# Altium PCB VNA_v4.PcbDoc (part 4 of 5)
Units mm, origin at the board's own origin, x right, y up, seen from the top; angles counter-clockwise.
Board outline 179 x 180 mm, 2 copper layers (Top Layer, Bottom Layer), stack 1.601 mm thick; 281 components, 184 nets, 845 pads, 5745 vias.
Unrouted connection lines stored in the file: 5.
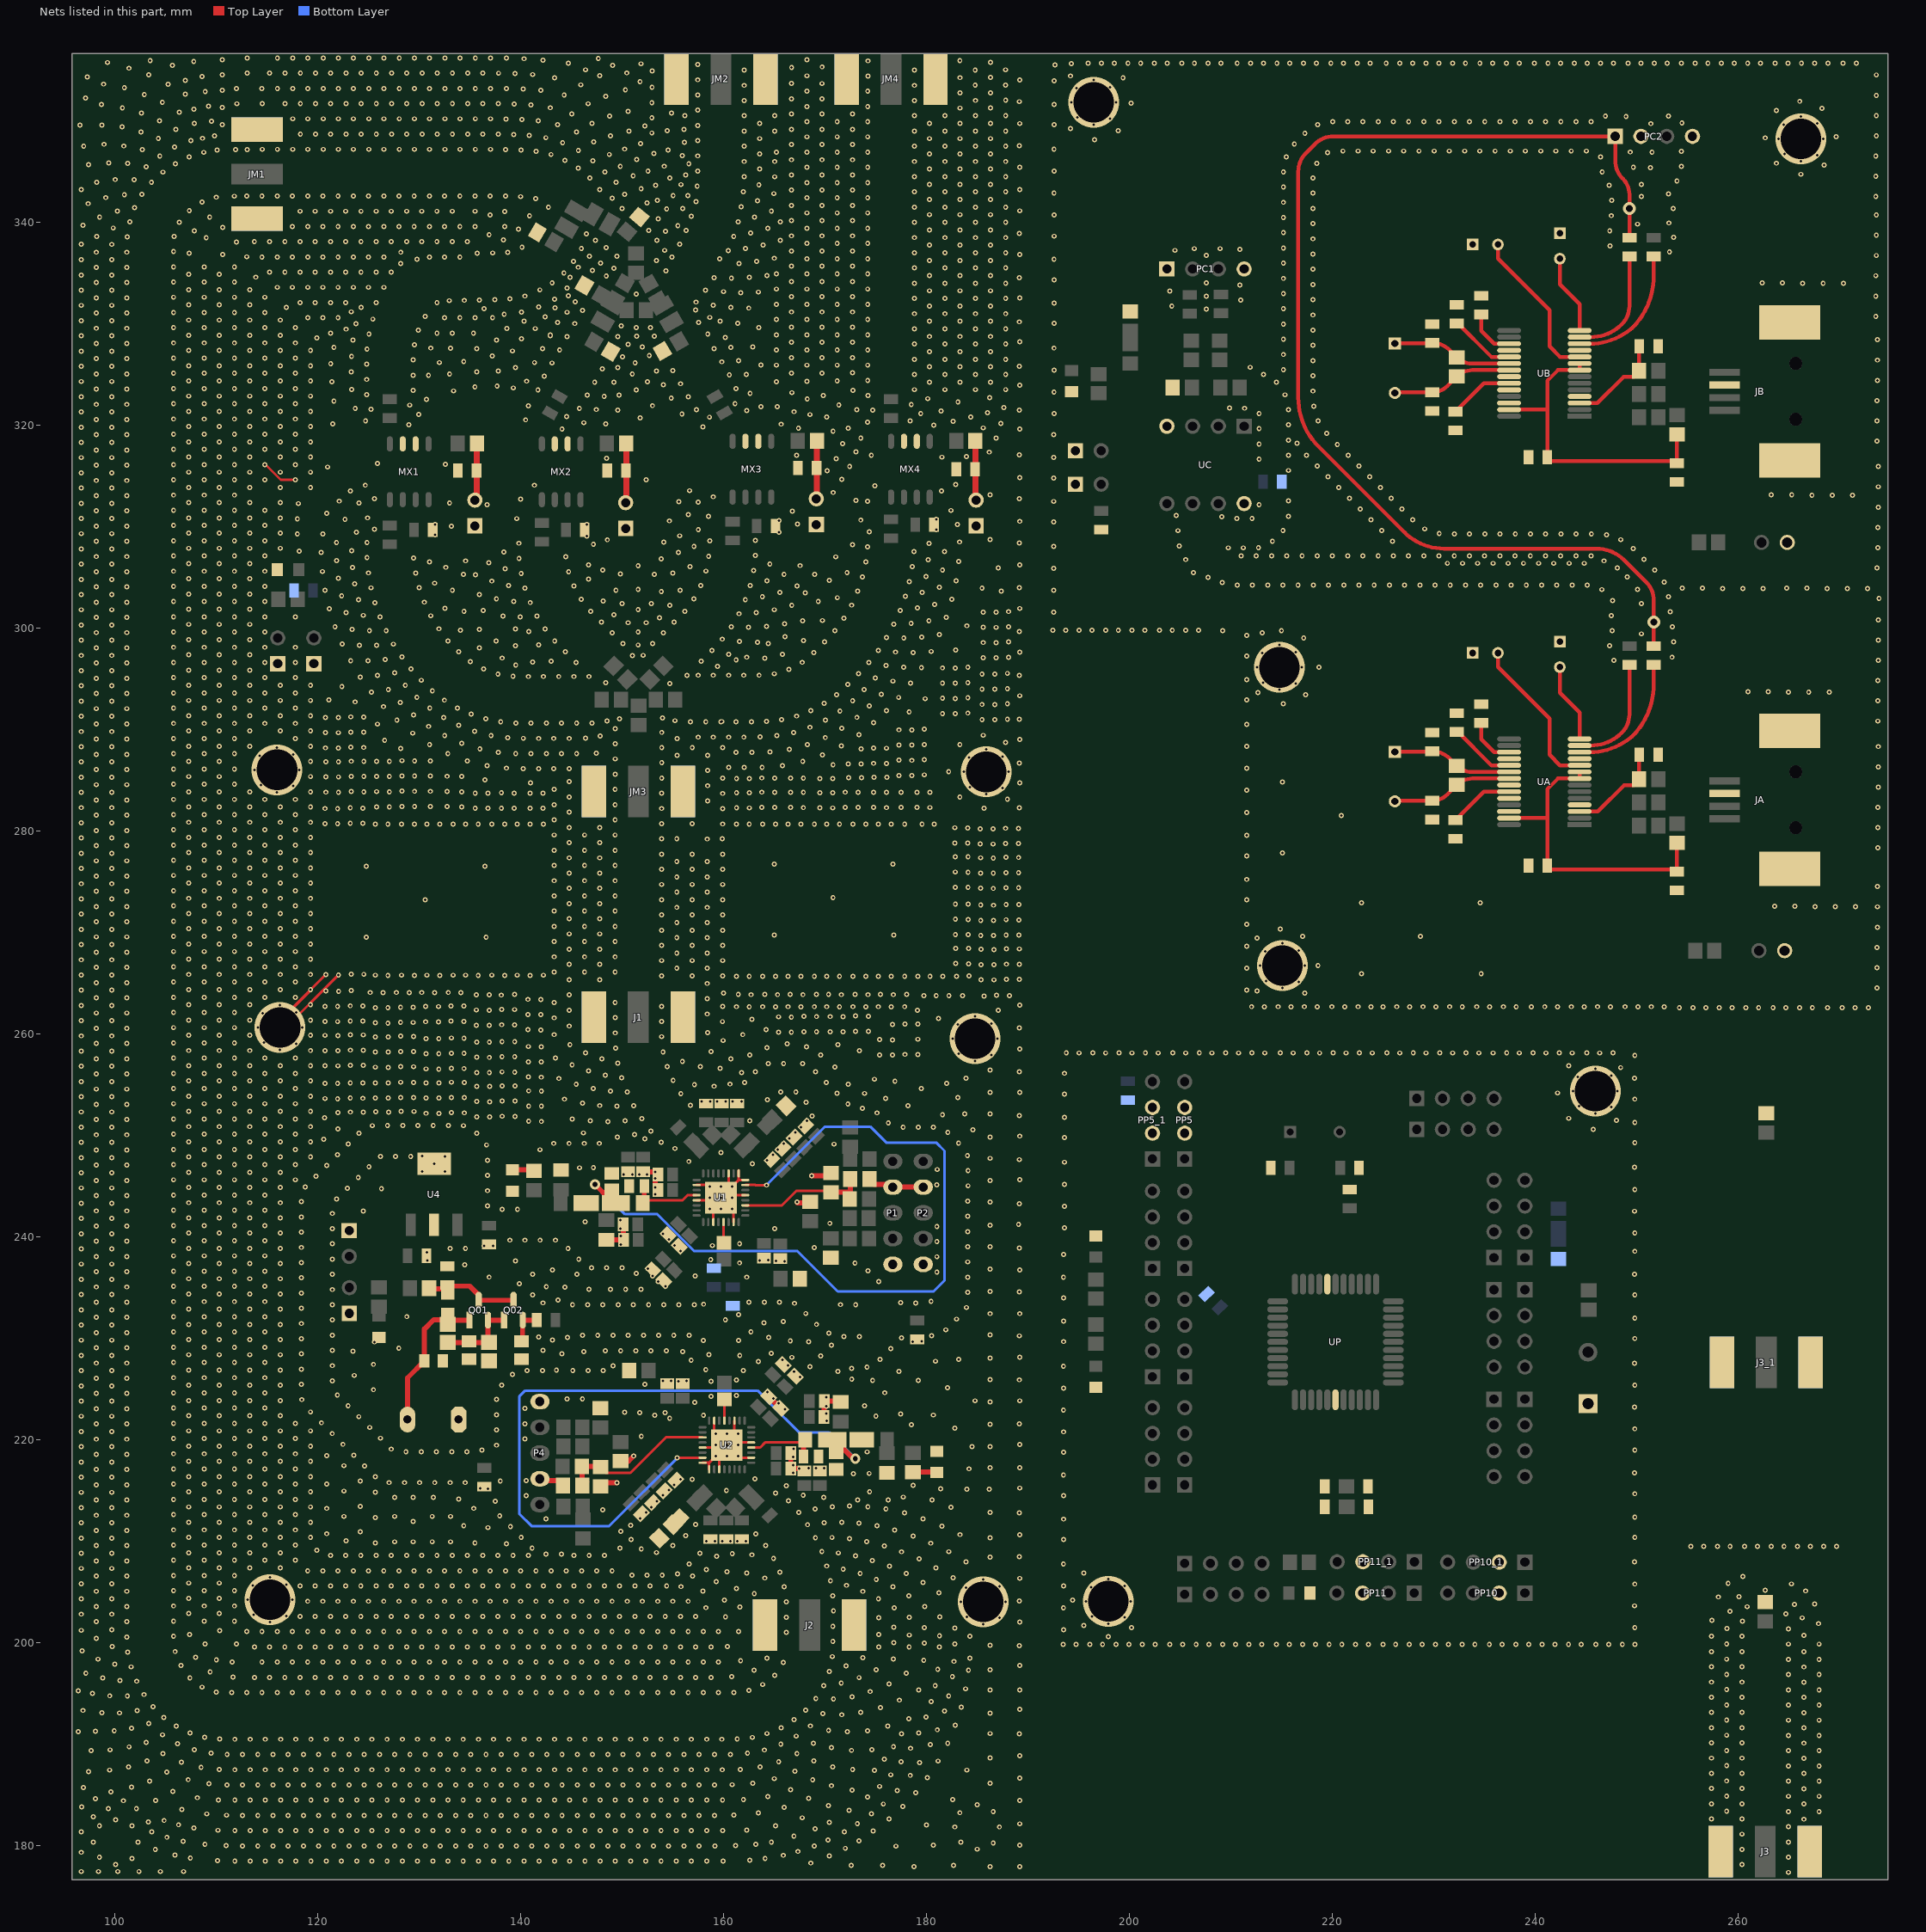
[diagram p4: the nets of this part, all layers, seen from the top]

## Via types
v1: diameter 0.5, hole 0.254, Top Layer to Bottom Layer, 5718 vias
v2: diameter 5, hole 4, Top Layer to Bottom Layer, 12 vias
v3: diameter 1, hole 0.5, Top Layer to Bottom Layer, 8 vias
v4: diameter 1.27, hole 0.711, Top Layer to Bottom Layer, 7 vias

## Nets (pads, with @x,y where several pads share a name; then routed paths per layer and width w, separated by ;. In a path a pad name is that pad's centre, name@x,y a point inside that pad or via, vN(x,y) a via of type N, cw(c..) or ccw(c..) an arc to the next point about the centre after c; other vN are vias at no path point) (continued)
GND: (continued)
  other v1: 96.694,282.275 99.697,282.275 167.876,282.275 176.076,282.275 180.342,282.28 189.181,282.265 163.8,282.3 165.064,282.288 166.612,282.287 172,282.3 173.264,282.288 174.812,282.287 177.53,282.293 179.078,282.292 273.8,282.3 107.303,282.333 110.306,282.333 113.308,282.333 116.309,282.333 119.306,282.333 125.802,282.348 127.066,282.336 134.21,282.338 132.771,282.37 128.3,282.4 129.564,282.388 131.112,282.387 143.305,282.57 149.314,282.57 158.428,282.927 98.195,283.025 101.204,283.025 105.796,283.083 108.805,283.083 111.805,283.083 114.807,283.083 117.807,283.083 188,283.1 144.804,283.32 183.3,283.3 185.9,283.6 159.929,283.676 136.8,283.7 142.2,283.7 153.919,283.693 135.536,283.712 138.124,283.725 139.388,283.713 140.936,283.712 161.302,283.748 162.566,283.736 169.502,283.748 170.766,283.736 96.694,283.775 99.697,283.775 167.876,283.775 176.076,283.775 180.342,283.78 116,283.8 120.8,283.8 122.064,283.788 163.8,283.8 165.064,283.788 166.612,283.787 172,283.8 173.264,283.788 174.812,283.787 177.53,283.793 179.078,283.792 107.303,283.833 110.306,283.833 113.308,283.833 119.306,283.833 123.298,283.852 124.562,283.84 125.802,283.848 127.066,283.836 134.21,283.838 132.771,283.87 128.3,283.9 129.564,283.888 131.112,283.887 211.6,284 143.305,284.07 149.314,284.07 187.5,284.2 184.3,284.3 273.846,284.292 117.6,284.4 158.433,284.436 114.4,284.5 98.195,284.525 101.204,284.525 105.796,284.583 108.805,284.583 111.805,284.583 141,284.7 189.2,284.7 215.1,284.8 144.815,284.837 136.5,285 161.302,285.148 162.566,285.136 169.502,285.148 170.766,285.136 167.876,285.175 153.928,285.193 159.937,285.193 163.8,285.2 165.064,285.188 166.612,285.187 172.34,285.222 173.604,285.21 96.694,285.275 99.697,285.275 174.838,285.274 176.102,285.262 120.8,285.3 122.064,285.288 107.303,285.333 110.306,285.333 119.306,285.333 123.298,285.352 124.562,285.34 125.802,285.348 127.066,285.336 134.21,285.338 132.771,285.37 128.3,285.4 129.564,285.388 131.112,285.387 177.302,285.448 178.566,285.436 179.8,285.5 149.336,285.57 182.2,285.8 183.7,285.8 188.1,285.8 158.438,285.943 113.8,286 118.2,286 98.195,286.025 101.204,286.025 105.796,286.083 108.805,286.083 111.805,286.083 140.277,286.101 141.789,286.097 143.289,286.097 144.789,286.097 211.581,286.145 138.599,286.173 160.508,286.224 162.049,286.225 163.806,286.253 273.846,286.292 136.702,286.415 165.814,286.421 170.8,286.5 172.313,286.59 173.577,286.578 174.811,286.642 176.076,286.63 189.181,286.649 153.928,286.693 96.694,286.775 99.697,286.775 120.8,286.8 122.064,286.788 167.828,286.822 107.303,286.833 110.306,286.833 119.306,286.833 123.298,286.852 124.562,286.84 125.802,286.848 127.066,286.836 128.3,286.9 129.564,286.888 131.112,286.887 134.74,286.888 177.302,286.948 178.566,286.936 179.8,287 149.336,287.07 184.2,287.2 187.5,287.3 114.3,287.4 155.435,287.443 158.438,287.443 169.773,287.474 117.6,287.5 98.195,287.525 101.204,287.525 105.796,287.583 108.805,287.583 111.805,287.583 132.832,287.594 139.523,287.606 141.039,287.598 142.539,287.598 144.039,287.598 145.539,287.598 147.473,287.629 137.802,287.736 161.258,287.725 162.813,287.725 164.6,287.772 166.488,288.015 185.9,288 136.005,288.062 173.577,288.078 128.2,288.1 174.811,288.142 176.076,288.13 120.773,288.168 122.037,288.156 116,288.2 153.928,288.193 156.937,288.193 159.937,288.193 123.272,288.22 124.536,288.207 96.694,288.275 99.697,288.275 211.6,288.3 273.846,288.292 107.303,288.333 110.306,288.333 113.308,288.333 119.306,288.333 171.636,288.361 177.302,288.448 178.566,288.436 131.044,288.498 168.267,288.486 179.8,288.5 183.3,288.5 149.336,288.57 134.219,288.615 187.8,288.7 126.6,288.9 189.2,289 98.195,289.025 101.204,289.025 105.796,289.083 108.805,289.083 111.805,289.083 117.807,289.083 155.423,289.076 140.285,289.104 141.789,289.1 143.289,289.1 144.789,289.1 146.398,289.108 138.727,289.171 170.036,289.184 157.508,289.227 159.008,289.227 160.508,289.227 162.022,289.227 163.608,289.245 147.834,289.325 132.529,289.365 165.274,289.368 137.105,289.385 185.6,289.4 173.347,289.459 129.363,289.61 120.773,289.668 122.037,289.656 153.928,289.693 166.927,289.681 123.272,289.72 124.536,289.707 96.694,289.775 99.697,289.775 135.484,289.791 107.303,289.833 110.306,289.833 113.308,289.833 116.309,289.833 119.306,289.833 177.302,289.948 178.566,289.936 179.8,290 149.347,290.07 171.658,290.085 168.529,290.198 130.951,290.285 133.917,290.388 211.581,290.475 125.9,290.5 98.195,290.525 101.204,290.525 105.796,290.583 108.805,290.583 111.805,290.583 114.807,290.583 117.807,290.583 141.039,290.607 142.539,290.607 144.039,290.607 145.539,290.607 147.039,290.607 139.54,290.615 174.813,290.643 138.044,290.736 156.758,290.734 158.258,290.734 159.758,290.734 161.258,290.734 162.758,290.734 159.843,290.757 164.258,290.761 273.8,290.8 148.524,290.823 155.238,290.84 127.827,290.889 170.057,290.909 165.748,290.932 186.766,290.936 185.502,290.948 189.181,290.978 136.571,291.018 188,291 149.772,291.03 154.002,291.13 120.773,291.168 122.037,291.156 132.436,291.153 173.167,291.175 123.272,291.22 124.536,291.207 96.694,291.275 99.697,291.275 167.202,291.301 107.303,291.333 110.306,291.333 113.308,291.333 116.309,291.333 119.306,291.333 129.462,291.41 135.144,291.479 181.602,291.548 182.866,291.536 184.1,291.6 178.3,291.7 171.477,291.801 168.605,291.832 176.057,291.832 98.195,292.025 101.204,292.025 105.796,292.083 108.805,292.083 111.805,292.083 114.807,292.083 117.807,292.083 131.051,292.086 133.779,292.102 126.487,292.235 174.393,292.286 186.766,292.436 185.502,292.448 188,292.5 215.2,292.5 169.925,292.545 128.144,292.641 123.7,292.7 96.694,292.775 99.697,292.775 172.746,292.819 273.8,292.8 107.303,292.833 110.306,292.833 113.308,292.833 116.309,292.833 119.306,292.833 132.491,292.87 121.1,292.9 211.6,292.9 179.9,293 181.602,293.048 182.866,293.036 184.1,293.1 177.279,293.129 129.781,293.163 189.2,293.3 217.4,293.4 171.151,293.409 175.551,293.449 98.195,293.525 101.204,293.525 105.796,293.583 108.805,293.583 111.805,293.583 114.807,293.583 117.807,293.583 212.7,293.6 125.294,293.648 264.992,293.654 266.992,293.654 268.992,293.654 261,293.7 263,293.7 131.305,293.789 173.885,293.904 214.8,293.9 126.978,293.921 186.766,293.936 185.502,293.948 188,294 122.4,294.2 96.694,294.275 99.697,294.275 107.303,294.333 110.306,294.333 113.308,294.333 116.309,294.333 119.306,294.333 128.637,294.328 172.265,294.414 154.7,294.5 216.4,294.5 181.602,294.548 182.866,294.536 148.388,294.575 178.46,294.555 184.1,294.6 213.2,294.6 176.712,294.739 273.8,294.8 130.218,294.822 211.6,294.9 98.195,295.025 101.204,295.025 105.796,295.083 108.805,295.083 111.805,295.083 114.807,295.083 117.807,295.083 174.983,295.06 124.212,295.153 140.765,295.199 142.265,295.199 143.765,295.199 145.265,295.199 146.765,295.199 139.265,295.219 125.913,295.293 156.4,295.3 189.181,295.308 157.51,295.326 159.01,295.326 160.51,295.326 162.01,295.326 163.51,295.326 186.766,295.436 137.783,295.45 165.004,295.46 185.502,295.448 173.325,295.474 188,295.5 127.599,295.568 96.694,295.775 99.697,295.775 107.303,295.833 110.306,295.833 113.308,295.833 166.441,295.891 129.214,295.936 136.365,295.94 181.602,296.048 182.866,296.036 179.526,296.069 184.1,296.1 212.6,296.1 217,296.1 218.7,296.1 177.769,296.115 159.427,296.209 176.02,296.3 139.526,296.316 98.195,296.525 101.204,296.525 145.476,296.574 105.796,296.583 108.805,296.583 111.805,296.583 114.807,296.583 117.807,296.583 167.763,296.599 174.335,296.584 141.207,296.629 135.057,296.674 143.015,296.706 157.807,296.72 123.252,296.739 124.959,296.745 247.76,296.785 273.846,296.792 161.26,296.833 126.662,296.885 164.083,297.014 138.189,297.023 186.866,297.036 185.602,297.048 162.305,297.108 188.1,297.1 253.516,297.109 128.3,297.126 211.6,297.2 96.694,297.275 99.697,297.275 151.031,297.272 152.099,297.28 107.303,297.333 110.306,297.333 113.308,297.333 160.537,297.38 165.817,297.402 213.1,297.5 168.916,297.559 178.715,297.57 176.956,297.618 189.2,297.6 216.4,297.6 133.902,297.631 144.416,297.634 180.47,297.661 175.255,297.769 158.868,297.781 182.9,297.8 98.195,298.025 101.204,298.025 135.958,298.029 105.796,298.083 108.805,298.083 111.805,298.083 114.807,298.083 117.807,298.083 139.519,298.225 247.34,298.225 124.123,298.267 125.831,298.273 141.775,298.301 151.6,298.3 214.8,298.3 127.483,298.384 122.421,298.396 153.037,298.429 164.432,298.43 150.095,298.444 186.866,298.536 185.602,298.548 163.359,298.57 188.1,298.6 253.675,298.601 169.977,298.62 161.58,298.664 132.864,298.714 137.602,298.697 143.376,298.715 167.9,298.757 96.694,298.775 99.697,298.775 273.846,298.792 107.303,298.833 110.306,298.833 113.308,298.833 159.879,298.888 177.787,299.005 217.2,299 176.079,299.022 179.544,299.095 166.072,299.107 211.581,299.242 181.286,299.323 250.5,299.4 154.09,299.497 213.1,299.5 98.195,299.525 101.204,299.525 149.037,299.507 105.796,299.583 108.805,299.583 111.805,299.583 114.807,299.583 151.6,299.6 140.807,299.631 189.181,299.637 126.767,299.702 209.2,299.7 215,299.7 247.614,299.699 125.112,299.722 170.983,299.732 134.063,299.748 192.471,299.754 193.735,299.742 195.071,299.754 196.335,299.742 197.671,299.754 198.935,299.742 200.271,299.754 201.535,299.742 202.971,299.754 204.235,299.742 205.571,299.754 206.835,299.742 123.408,299.85 135.955,299.838 142.432,299.881 131.952,299.905 139.507,299.89 186.866,300.036 162.481,300.046 185.602,300.048 121.722,300.113 160.767,300.097 188.1,300.1 253.553,300.096 164.261,300.13 184,300.2 96.694,300.275 99.697,300.275 107.303,300.333 110.306,300.333 113.308,300.333 176.802,300.336 166.022,300.394 178.507,300.452 150.6,300.5 152.4,300.5 147.976,300.568 155.151,300.558 167.796,300.694 180.251,300.68 169.746,300.716 273.846,300.792 171.869,300.943 153.7,301 98.195,301.025 101.204,301.025 181.971,301.043 126.158,301.073 139.98,301.078 105.796,301.083 108.805,301.083 111.805,301.083 114.807,301.083 117.807,301.083 141.622,301.144 138.26,301.163 131.166,301.182 247.504,301.195 124.509,301.223 149.2,301.3 161.528,301.39 122.821,301.485 163.239,301.51 186.866,301.536 185.602,301.548 192.571,301.554 253.319,301.577 188.1,301.6 134.434,301.613 146.922,301.635 156.193,301.637 136.325,301.701 177.421,301.702 96.694,301.775 99.697,301.775 165.002,301.774 151.6,301.8 107.303,301.833 110.306,301.833 113.308,301.833 121.16,301.879 189.2,301.9 132.549,301.936 179.111,301.952 154.7,302.2 166.73,302.222 172.631,302.234 180.832,302.315 150,302.4 152.9,302.4 250.5,302.4 125.658,302.487 140.96,302.49 98.195,302.525 101.204,302.525 130.508,302.531 105.796,302.583 108.805,302.583 111.805,302.583 114.807,302.583 139.318,302.601 169.353,302.6 148.144,302.642 247.632,302.69 162.156,302.752 124.026,302.766 145.988,302.809 182.518,302.812 157.08,302.847 137.618,302.858 273.9,302.9 171.222,302.96 163.847,303.047 253.148,303.068 177.931,303.113 122.364,303.16 96.694,303.275 99.697,303.275 135.956,303.289 107.303,303.333 110.306,303.333 113.308,303.333 168.05,303.445 165.576,303.496 179.596,303.494 153.886,303.581 173.243,303.604 187.4,303.6 120.741,303.693 133.291,303.691 155.716,303.695 149.4,303.7 192.552,303.699 246.585,303.765 151.6,303.8 250.1,303.8 258.492,303.854 260.492,303.854 262.492,303.854 268.792,303.854 270.792,303.854 272.792,303.854 140.442,303.898 185.5,303.9 254.5,303.9 256.5,303.9 264.8,303.9 266.8,303.9 125.271,303.936 130.013,303.946 189.181,303.967 181.284,303.991 98.195,304.025 101.204,304.025 105.796,304.083 108.805,304.083 111.805,304.083 114.807,304.083 145.252,304.116 167.248,304.126 157.78,304.173 162.644,304.171 138.82,304.178 212.148,304.192 213.648,304.192 215.148,304.192 216.648,304.192 218.148,304.192 219.648,304.192 221.148,304.192 222.648,304.192 224.148,304.192 225.648,304.192 227.148,304.192 228.648,304.192 230.148,304.192 231.648,304.192 233.148,304.192 234.648,304.192 236.148,304.192 237.648,304.192 239.148,304.192 240.648,304.192 242.148,304.192 243.648,304.192 245.148,304.192 210.648,304.208 123.668,304.346 131.523,304.399 209.167,304.449 252.727,304.507 178.329,304.559 137.156,304.61 182.926,304.623 164.295,304.642 170.433,304.691 96.694,304.775 99.697,304.775 146.719,304.789 107.303,304.833 110.306,304.833 113.308,304.833 122.044,304.879 207.767,304.986 249.1,305 173.713,305.028 179.96,305.071 135.549,305.22 134.387,305.257 153.187,305.268 168.989,305.268 165.968,305.273 149.831,305.319 140.072,305.351 155.015,305.383 125.005,305.413 129.661,305.404 172.193,305.443 206.335,305.433 98.195,305.525 101.204,305.525 120.47,305.543 144.738,305.525 105.796,305.583 108.805,305.583 111.805,305.583 114.807,305.583 158.279,305.588 162.98,305.632 148.1,305.7 251.815,305.698 181.603,305.703 138.49,305.802 192.571,305.854 187.1,305.9 248.1,305.9 273.7,305.9 123.442,305.953 132.621,305.966 156.722,306.015 178.612,306.032 151.6,306.1 167.563,306.136 146.7,306.2 189.2,306.2 96.694,306.275 99.697,306.275 164.572,306.296 107.303,306.333 110.306,306.333 113.308,306.333 231.357,306.351 232.857,306.351 234.357,306.351 235.857,306.351 237.357,306.351 238.857,306.351 240.357,306.351 241.857,306.351 243.357,306.351 244.857,306.351 136.881,306.412 131.025,306.492 174.04,306.492 183.19,306.524 134.6,306.6 246.8,306.6 121.866,306.617 180.197,306.693 205.576,306.727 250.755,306.759 153.851,306.806 139.861,306.836 129.455,306.89 124.862,306.906 171.067,306.985 144.46,306.999 98.195,307.025 101.204,307.025 158.547,307.064 105.796,307.083 108.805,307.083 111.805,307.083 114.807,307.083 163.159,307.122 211.034,307.104 212.534,307.102 214.034,307.102 215.534,307.102 217.034,307.102 218.534,307.102 220.034,307.102 221.534,307.102 223.034,307.102 224.534,307.102 226.034,307.102 227.534,307.102 229.034,307.102 230.534,307.102 232.034,307.102 233.534,307.102 235.034,307.102 236.534,307.102 238.034,307.102 239.534,307.102 241.034,307.102 242.534,307.102 244.034,307.102 245.534,307.102 120.364,307.446 155.557,307.439 138.352,307.471 178.776,307.523 181.786,307.514 118.2,307.542 123.36,307.585 96.694,307.775 99.697,307.775 107.303,307.833 110.306,307.833 113.308,307.833 116.309,307.833 249.694,307.82 209.747,307.875 211.247,307.875 212.746,307.909 273.8,307.9 174.202,307.983 157.108,308.017 192.552,308.029 204.921,308.076 172.721,308.198 147.193,308.237 139.842,308.336 180.28,308.327 189.181,308.351 121.856,308.414 124.865,308.406 154.133,308.459 183.28,308.465 98.195,308.525 101.204,308.525 214.109,308.536 225.948,308.528 158.651,308.56 105.796,308.583 108.805,308.583 111.805,308.583 114.807,308.583 163.141,308.621 148.552,308.677 248.467,308.682 186.3,308.7 146.552,309.032 155.693,309.064 131.566,309.159 247.048,309.17 118,309.242 120.512,309.236 96.694,309.275 99.697,309.275 232.051,309.261 233.551,309.261 235.051,309.261 236.551,309.261 238.051,309.261 239.551,309.261 241.051,309.261 242.551,309.261 244.051,309.261 245.551,309.261 230.551,309.292 107.303,309.333 110.306,309.333 113.308,309.333 116.309,309.333 123.815,309.429 165.475,309.413 174.387,309.472 204.793,309.571 215.165,309.601 224.887,309.588 157.532,309.666 180.969,309.667 125.592,309.718 229.12,309.739 273.8,309.9 98.195,310.025 101.204,310.025 133.186,310.028 105.796,310.083 108.805,310.083 111.805,310.083 114.807,310.083 183.068,310.171 131.566,310.175 146.552,310.175 167.29,310.218 192.571,310.454 189.2,310.5 189.2,310.5 154.681,310.539 165.475,310.556 173.549,310.624 223.826,310.649 227.934,310.657 122.7,310.7 180.969,310.683 118,310.742 96.694,310.775 99.697,310.775 139.645,310.757 210.612,310.785 212.112,310.785 107.303,310.833 110.306,310.833 113.308,310.833 116.309,310.833 124.935,310.837 209.119,310.93 158.532,310.989 215.701,311.002 204.626,311.062 156.528,311.167 120.9,311.3 166.8,311.5 98.195,311.525 101.204,311.525 182.421,311.562 105.796,311.583 108.805,311.583 111.805,311.583 114.807,311.583 222.766,311.71 226.873,311.718 273.846,311.892 136.689,312.124 212.794,312.121 118.1,312.242 96.694,312.275 99.697,312.275 133,312.3 124.073,312.306 107.303,312.333 110.306,312.333 113.308,312.333 116.309,312.333 157.528,312.381 155.596,312.419 192.571,312.454 174.221,312.464 122.123,312.491 215.704,312.502 173.061,312.561 140.007,312.696 125.603,312.728 189.181,312.734 221.705,312.77 225.812,312.778 158.981,312.914 98.195,313.025 101.204,313.025 267.292,313.054 269.292,313.054 271.292,313.054 105.796,313.083 108.805,313.083 111.805,313.083 186.3,313.1 263.3,313.1 265.3,313.1 170.816,313.338 123.241,313.486 181.496,313.499 156.649,313.51 96.694,313.775 99.697,313.775 107.303,313.833 110.306,313.833 113.308,313.833 116.309,313.833 119.306,313.833 220.644,313.831 224.752,313.839 273.846,313.892 174.934,314 141.351,314.057 124.696,314.059 182.882,314.131 98.195,314.525 101.204,314.525 105.796,314.583 108.805,314.583 111.805,314.583 114.807,314.583 117.807,314.583 152.4,314.6 171.675,314.644 192.571,314.754 189.2,314.8 219.584,314.891 223.691,314.9 96.694,315.275 99.697,315.275 107.303,315.333 110.306,315.333 113.308,315.333 116.309,315.333 119.306,315.333 170.235,315.492 215.704,315.502 121,315.842 172.447,315.905 273.846,315.892 218.523,315.952 222.63,315.96 98.195,316.025 101.204,316.025 105.796,316.083 108.805,316.083 111.805,316.083 117.807,316.083 132.6,316.1 125.9,316.2 212.794,316.621 171.108,316.656 148.5,316.7 96.694,316.775 99.697,316.775 192.552,316.796 181.535,316.818 107.303,316.833 110.306,316.833 113.308,316.833 116.309,316.833 119.306,316.833 183.941,316.878 167.2,317 215.704,317.002 174.573,317.022 217.466,317.016 221.57,317.021 189.181,317.064 186.212,317.322 173.067,317.343 98.195,317.525 101.204,317.525 105.796,317.583 108.805,317.583 111.805,317.583 114.807,317.583 117.807,317.583 220.509,318.082 212.794,318.121 171.754,318.158 216.536,318.193 96.694,318.275 99.697,318.275 107.303,318.333 110.306,318.333 113.308,318.333 116.309,318.333 119.306,318.333 273.7,318.4 215.704,318.502 173.551,318.697 186.883,318.69 98.195,319.025 101.204,319.025 192.571,319.054 105.796,319.083 108.805,319.083 111.805,319.083 114.807,319.083 117.807,319.083 219.462,319.156 170.8,319.367 144.1,319.6 189.2,319.6 212.794,319.621 167.407,319.659 172.288,319.685 185.617,319.698 96.694,319.775 99.697,319.775 157.965,319.806 107.303,319.833 110.306,319.833 113.308,319.833 116.309,319.833 119.306,319.833 129,320 180.727,319.978 215.704,320.002 165.688,320.075 121.5,320.1 148.4,320.1 187.329,320.147 146.235,320.209 174.214,320.278 182.629,320.348 124.734,320.38 178.4,320.4 218.634,320.407 273.7,320.4 140.5,320.5 98.195,320.525 101.204,320.525 105.796,320.583 108.805,320.583 111.805,320.583 114.807,320.583 117.807,320.583 151.8,320.7 158.634,320.759 170.198,320.767 184.392,320.764 144.547,320.81 168.539,321.012 129.981,321.042 155.92,321.073 192.6,321.1 179.443,321.121 212.794,321.121 186.017,321.189 96.694,321.275 99.697,321.275 166.95,321.304 107.303,321.333 110.306,321.333 113.308,321.333 116.309,321.333 119.306,321.333 181.456,321.382 162.3,321.4 149.6,321.442 189.181,321.448 174.717,321.461 157.328,321.496 147.482,321.517 173.157,321.502 215.701,321.502 125.278,321.549 123.715,321.624 145.797,321.64 211.389,321.645 209.889,321.684 187.658,321.711 163.7,321.8 165.304,321.8 218.195,321.841 140.791,321.888 153,321.9 129.075,321.944 171.39,321.948 178.511,322.001 98.195,322.025 101.204,322.025 105.796,322.083 108.805,322.083 111.805,322.083 114.807,322.083 117.807,322.083 161.138,322.09 183.127,322.271 121.6,322.342 273.7,322.4 130.734,322.503 168.257,322.566 180.157,322.58 154.862,322.631 186.251,322.696 156.529,322.766 96.694,322.775 99.697,322.775 148.251,322.821 107.303,322.833 110.306,322.833 113.308,322.833 116.309,322.833 119.306,322.833 174.249,322.886 169.842,322.901 146.57,322.925 149.7,322.942 215.364,322.964 124.836,322.982 162.622,323.116 166.753,323.173 192.581,323.245 133.4,323.342 218.117,323.339 129.417,323.404 172.769,323.39 141.723,323.435 151.4,323.442 178.82,323.469 181.829,323.469 184.829,323.469 187.831,323.469 123.357,323.505 98.195,323.525 101.204,323.525 105.796,323.583 108.805,323.583 111.805,323.583 114.807,323.583 117.807,323.583 161.257,323.586 139.3,323.642 135.5,323.742 137.7,323.842 189.2,323.9 154.092,323.947 155.772,324.06 149.2,324.2 214.521,324.204 121.4,324.242 147.321,324.224 152.5,324.242 180.327,324.219 183.33,324.219 186.332,324.219 165.218,324.259 96.694,324.275 99.697,324.275 140.607,324.314 168.219,324.302 107.303,324.333 110.306,324.333 113.308,324.333 116.309,324.333 119.306,324.333 171.219,324.344 174.228,324.386 273.746,324.392 124.825,324.482 142.349,324.798 218.117,324.839 130.924,324.874 129.417,324.904 160.585,324.927 162.245,324.974 178.82,324.969 181.829,324.969 184.829,324.969 187.831,324.969 213.237,324.979 133,325 151.008,325 98.195,325.025 101.204,325.025 105.796,325.083 108.805,325.083 111.805,325.083 114.807,325.083 117.807,325.083 166.717,325.083 169.719,325.104 172.721,325.125 123.318,325.227 135.7,325.242 137.8,325.3 153.4,325.3 155.014,325.355 192.6,325.4 215.207,325.443 148.071,325.523 139.5,325.642 149.6,325.642 211.907,325.674 180.327,325.719 183.33,325.719 186.332,325.719 96.694,325.775 99.697,325.775 189.181,325.777 107.303,325.833 110.306,325.833 113.308,325.833 116.309,325.833 119.306,325.833 165.217,325.886 168.219,325.886 171.219,325.886 174.228,325.886 163.7,325.9 124.825,325.982 121.3,326.042 143.099,326.097 151.3,326.1 132,326.142 141.387,326.139 159.827,326.222 134.4,326.242 161.507,326.335 218.117,326.339 273.746,326.392 129.417,326.404 178.82,326.469 181.829,326.469 184.829,326.469 187.831,326.469 98.195,326.525 101.204,326.525 105.796,326.583 108.805,326.583 111.805,326.583 114.807,326.583 117.807,326.583 166.716,326.636 169.718,326.636 172.721,326.636 150.053,326.701 123.337,326.751 137.2,326.8 152.7,326.842 215.207,326.943 180.327,327.219 183.33,327.219 186.332,327.219 96.694,327.275 99.697,327.275 139.216,327.286 107.303,327.333 110.306,327.333 113.308,327.333 116.309,327.333 119.306,327.333 165.217,327.386 168.219,327.386 171.219,327.386 174.228,327.386 143.849,327.396 124.864,327.482 135.7,327.5 142.169,327.5 159.07,327.516 133.1,327.542 131.137,327.576 192.581,327.575 121.6,327.642 160.75,327.63 152,327.7 162.9,327.7 218.117,327.839 129.537,327.9 150.6,327.942 178.82,327.969 181.829,327.969 184.829,327.969 187.831,327.969 98.195,328.025 101.204,328.025 105.796,328.083 108.805,328.083 111.805,328.083 114.807,328.083 117.807,328.083 166.716,328.136 169.718,328.136 172.721,328.136 189.2,328.2 123.467,328.348 137.629,328.376 273.746,328.392 215.207,328.443 140.091,328.486 119.912,328.569 160.192,328.606 144.599,328.695 149.6,328.7 151.44,328.728 180.327,328.719 183.33,328.719 186.332,328.719 153.2,328.742 96.694,328.775 99.697,328.775 142.919,328.799 107.303,328.833 110.306,328.833 113.308,328.833 116.309,328.833 142.94,328.871 165.217,328.886 168.219,328.886 171.219,328.886 174.228,328.886 125.07,328.968 158.465,328.952 121.268,329.055 131.768,329.055 133.268,329.055 135.37,329.055 129.935,329.346 218.117,329.339 122.8,329.442 178.82,329.469 181.829,329.469 184.829,329.469 187.831,329.469 141.44,329.486 98.195,329.525 101.204,329.525 138.663,329.518 105.796,329.583 108.805,329.583 111.805,329.583 114.807,329.583 117.807,329.583 151.4,329.6 152.8,329.6 163.5,329.6 166.716,329.636 169.718,329.636 172.721,329.636 149.933,329.775 215.207,329.943 123.786,329.989 145.349,329.994 192.6,330 161.405,330.021 143.669,330.098 157.555,330.106 189.181,330.161 140.346,330.212 159.659,330.229 180.327,330.219 183.33,330.219 186.332,330.219 96.694,330.275 99.697,330.275 107.303,330.333 110.306,330.333 113.308,330.333 116.309,330.333 165.217,330.386 168.219,330.386 171.219,330.386 174.228,330.386 125.452,330.418 119.018,330.554 120.518,330.554 122.018,330.554 132.518,330.554 134.018,330.554 135.518,330.554 137.236,330.551 158.644,330.589 142.424,330.637 130.598,330.691 273.6,330.7 218.117,330.839 138.381,330.894 178.82,330.969 181.829,330.969 184.829,330.969 187.831,330.969 98.195,331.025 101.204,331.025 105.796,331.083 108.805,331.083 111.805,331.083 114.807,331.083 144.6,331.1 140.098,331.114 123.3,331.142 166.716,331.136 169.718,331.136 172.721,331.136 146.107,331.288 157.259,331.324 207.6,331.4 136.4,331.442 215.207,331.443 162.492,331.518 143.4,331.542 116.914,331.568 124.294,331.583 141.78,331.609 160.738,331.592 204.192,331.696 180.327,331.719 183.33,331.719 186.332,331.719 96.694,331.775 99.697,331.775 158.99,331.801 107.303,331.833 110.306,331.833 113.308,331.833 165.217,331.886 168.219,331.886 171.219,331.886 174.228,331.886 192.6,332 118.268,332.052 119.768,332.052 121.268,332.052 122.768,332.052 125.768,332.052 131.768,332.052 157.31,332.11 145.4,332.142 132.96,332.243 134.459,332.28 210.99,332.291 135.959,332.318 218.117,332.339 137.458,332.356 143.351,332.383 138.957,332.418 178.82,332.469 181.829,332.469 184.829,332.469 187.831,332.469 189.2,332.5 98.195,332.525 101.204,332.525 105.796,332.583 108.805,332.583 111.805,332.583 114.807,332.583 166.716,332.636 169.718,332.636 172.721,332.636 207.6,332.7 273.6,332.7 140.43,332.702 144.7,332.742 151.4,332.9 215.207,332.943 161.702,333.029 163.456,333.09 160.008,333.132 204.012,333.186 180.327,333.219 183.33,333.219 186.332,333.219 96.694,333.275 99.697,333.275 158.247,333.281 141.9,333.3 107.303,333.333 110.306,333.333 113.308,333.333 165.217,333.386 168.219,333.386 171.219,333.386 174.228,333.386 144.6,333.5 116.018,333.554 117.518,333.554 119.018,333.554 120.518,333.554 122.018,333.554 123.518,333.554 125.018,333.554 126.518,333.554 210.908,333.788 218.117,333.839 178.82,333.969 181.829,333.969 184.829,333.969 187.831,333.969 266.392,333.954 268.392,333.954 270.392,333.954 143.125,333.991 207.6,334 262.4,334 264.4,334 98.195,334.025 101.204,334.025 105.796,334.083 108.805,334.083 111.805,334.083 166.716,334.136 169.718,334.136 172.721,334.136 192.6,334.3 215.207,334.443 160.796,334.477 189.181,334.491 159.089,334.522 144.9,334.542 162.552,334.536 113.913,334.568 148.461,334.676 273.6,334.7 164.297,334.731 180.327,334.719 183.33,334.719 186.332,334.719 96.694,334.775 99.697,334.775 107.303,334.833 110.306,334.833 165.217,334.886 168.219,334.886 171.219,334.886 174.228,334.886 144.273,334.957 115.268,335.053 116.768,335.053 118.268,335.053 119.768,335.053 121.268,335.053 122.768,335.053 124.268,335.053 125.768,335.053 127.268,335.053 154.324,335.18 147.1,335.242 218.117,335.339 149.2,335.442 178.82,335.469 181.829,335.469 184.829,335.469 187.831,335.469 98.195,335.525 101.204,335.525 145.7,335.542 105.796,335.583 108.805,335.583 111.805,335.583 166.716,335.636 169.718,335.636 172.721,335.636 128.2,335.9 161.539,335.91 147.893,335.938 215.207,335.943 163.285,336.104 145.222,336.118 153.4,336.219 180.327,336.219 183.33,336.219 186.332,336.219 96.694,336.275 99.697,336.275 129.814,336.329 192.581,336.342 159.638,336.368 168.219,336.386 171.219,336.386 174.228,336.386 165.01,336.432 154.915,336.527 114.518,336.556 116.018,336.556 117.518,336.556 119.018,336.556 120.518,336.556 122.018,336.556 123.518,336.556 125.018,336.556 126.518,336.556 131.018,336.556 132.518,336.556 134.018,336.556 113.001,336.564 146.8,336.642 149.5,336.642 207.6,336.7 273.646,336.692 110.635,336.793 189.2,336.8 189.2,336.8 218.117,336.839 135.747,336.906 107.331,336.933 137.247,336.944 178.82,336.969 181.829,336.969 184.829,336.969 187.831,336.969 138.745,337.019 98.195,337.025 101.204,337.025 128.208,337.025 253.26,337.048 105.796,337.083 166.716,337.136 169.718,337.136 172.721,337.136 160.475,337.18 154.2,337.2 204.5,337.2 210.9,337.3 206.413,337.371 208.953,337.371 146.005,337.397 162.169,337.396 215.207,337.443 148.459,337.485 140.158,337.521 247.388,337.636 163.896,337.723 180.327,337.719 183.33,337.719 186.332,337.719 99.713,337.792 96.711,337.824 155.693,337.81 168.219,337.886 171.219,337.886 174.228,337.886 111.985,338.033 113.762,338.06 115.268,338.055 116.768,338.055 118.268,338.055 119.768,338.055 121.268,338.055 122.768,338.055 124.268,338.055 125.768,338.055 127.268,338.055 128.768,338.055 130.268,338.055 131.768,338.055 133.268,338.055 134.768,338.055 153.46,338.182 165.591,338.182 147.4,338.2 138.3,338.242 218.117,338.339 109.015,338.439 178.82,338.469 181.829,338.469 184.829,338.469 187.831,338.469 253.675,338.489 101.237,338.525 98.228,338.591 105.862,338.582 161.011,338.581 192.6,338.6 166.716,338.636 169.718,338.636 172.721,338.636 273.646,338.692 136.9,338.742 146.5,338.842 189.181,338.874 162.684,338.926 215.207,338.943 154.3,339.1 107.861,339.134 247.368,339.136 152.655,339.168 156.343,339.162 180.327,339.219 183.33,339.219 186.332,339.219 139.8,339.3 99.859,339.402 164.381,339.385 168.219,339.386 171.219,339.386 174.228,339.386 110.652,339.482 117.518,339.556 119.018,339.556 120.518,339.556 122.018,339.556 123.518,339.556 125.018,339.556 126.518,339.556 128.018,339.556 129.518,339.556 131.018,339.556 132.518,339.556 134.018,339.556 135.518,339.556 138.45,339.54 155.5,339.642 96.876,339.674 250.1,339.786 218.117,339.839 253.186,339.907 106.378,339.99 178.82,339.969 181.829,339.969 184.829,339.969 187.831,339.969 101.476,340.006 165.6,340 161.439,340.019 166.716,340.136 169.718,340.136 172.721,340.136 153.557,340.313 215.207,340.443 109.352,340.474 98.505,340.485 163.08,340.491 156.837,340.578 140.88,340.617 247.536,340.627 137,340.7 192.6,340.7 273.646,340.692 180.327,340.719 183.33,340.719 186.332,340.719 168.219,340.886 171.219,340.886 174.228,340.886 138.452,341.026 118.268,341.058 119.768,341.058 121.268,341.058 122.768,341.058 124.268,341.058 125.768,341.058 127.268,341.058 128.768,341.058 130.268,341.058 131.768,341.058 133.268,341.058 135.514,341.058 100.266,341.082 164.737,341.078 189.2,341.1 107.359,341.125 154.4,341.3 150.017,341.34 156,341.342 218.117,341.339 253.615,341.345 101.968,341.423 142.747,341.464 161.755,341.485 178.82,341.469 181.829,341.469 184.829,341.469 187.831,341.469 166.716,341.636 169.718,341.636 172.721,341.636 97.366,341.813 152.464,341.891 215.207,341.943 108.607,341.958 157.3,342 163.355,342.082 153.475,342.141 247.568,342.127 180.327,342.219 183.33,342.219 186.332,342.219 141.505,342.305 149.039,342.364 168.219,342.386 171.219,342.386 174.228,342.386 99.125,342.41 110.024,342.449 140.017,342.497 250.5,342.5 273.6,342.5 111.8,342.542 138.518,342.549 113.018,342.574 114.518,342.565 116.018,342.565 117.518,342.565 119.018,342.565 120.518,342.565 122.018,342.565 123.518,342.565 125.018,342.565 126.518,342.565 128.018,342.565 129.518,342.565 131.018,342.565 132.518,342.565 134.018,342.565 135.518,342.565 137.018,342.565 155.037,342.6 156.488,342.612 100.958,342.691 150.27,342.716 102.692,342.736 253.169,342.777 164.962,342.794 192.581,342.845 218.117,342.839 161.958,342.971 178.82,342.969 181.829,342.969 184.829,342.969 187.831,342.969 166.716,343.136 169.718,343.136 172.721,343.136 96.7,343.2 147.796,343.204 189.2,343.2 151.895,343.291 215.207,343.443 157.407,343.52 153.301,343.614 247.302,343.603 163.508,343.671 155.834,343.685 250.5,343.7 180.327,343.719 183.33,343.719 186.332,343.719 168.219,343.886 171.219,343.886 174.228,343.886 98.225,343.908 103.629,343.908 149.434,343.907 253.985,344.035 101.912,344.157 100.057,344.19 146.824,344.346 154.7,344.339 218.117,344.339 165.055,344.449 162.046,344.469 178.82,344.469 181.829,344.469 184.829,344.469 187.831,344.469 273.6,344.5 151.094,344.562 166.716,344.636 169.718,344.636 172.721,344.636 156.3,344.642 266.2,344.7 104.742,344.913 148.302,344.919 215.207,344.943 246.612,344.935 157.464,345.019 192.6,345 152.575,345.024 163.558,345.214 180.327,345.219 183.33,345.219 186.332,345.219 145.675,345.311 251.387,345.372 168.219,345.386 171.219,345.386 174.228,345.386 189.2,345.4 249.7,345.4 103.092,345.441 149.822,345.467 254.422,345.47 154.165,345.5 268.5,345.6 97.43,345.638 105.987,345.751 156.6,345.742 101.279,345.787 218.481,345.794 263.8,345.8 99.425,345.819 162.056,345.969 165.065,345.969 178.82,345.969 181.829,345.969 184.829,345.969 187.831,345.969 147.124,346.05 144.391,346.086 166.716,346.136 169.718,346.136 172.721,346.136 151.444,346.154 107.334,346.41 215.477,346.418 246.449,346.426 104.439,346.517 157.464,346.519 273.6,346.5 155.957,346.533 267.8,346.6 143.002,346.652 148.759,346.65 163.563,346.719 180.327,346.719 183.33,346.719 186.332,346.719 264.6,346.7 153.138,346.746 219.568,346.827 108.764,346.861 251.529,346.866 165.217,346.886 168.219,346.886 171.219,346.886 174.228,346.886 249.4,346.9 254.439,346.97 141.538,346.978 221.06,346.991 222.56,346.991 224.06,346.991 225.56,346.991 227.06,346.991 228.56,346.991 230.06,346.991 231.56,346.991 233.06,346.991 234.56,346.991 236.06,346.991 237.56,346.991 239.06,346.991 240.56,346.991 242.06,346.991 243.56,346.991 245.06,346.991 145.707,347.041 110.1,347.1 140.042,347.091 154.537,347.1 102.725,347.146 111.9,347.142 113.043,347.148 138.543,347.143 114.543,347.157 116.043,347.157 117.543,347.157 119.043,347.157 120.543,347.157 122.043,347.157 123.543,347.157 125.043,347.157 126.543,347.157 128.043,347.157 129.543,347.157 131.043,347.157 132.543,347.157 134.043,347.157 135.543,347.157 137.043,347.157 192.581,347.175 150.278,347.197 105.908,347.383 96.938,347.482 162.056,347.469 178.82,347.469 181.829,347.469 184.829,347.469 187.831,347.469 100.913,347.492 189.181,347.534 166.716,347.636 169.718,347.636 172.721,347.636 98.936,347.661 216.269,347.692 151.84,347.724 144.145,347.803 156.165,347.865 147.231,347.887 107.491,348.031 157.464,348.019 196.6,348.1 163.563,348.219 180.327,348.219 183.33,348.219 186.332,348.219 264,348.2 268.4,348.2 104.308,348.248 108.669,348.256 142.491,348.302 262.7,348.3 168.219,348.386 171.219,348.386 174.228,348.386 269.7,348.4 109.846,348.48 148.866,348.485 273.646,348.492 140.873,348.539 139.326,348.624 118.293,348.664 119.793,348.664 121.293,348.664 122.793,348.664 124.293,348.664 125.793,348.664 127.293,348.664 128.793,348.664 130.293,348.664 131.793,348.664 133.293,348.664 134.793,348.664 136.293,348.664 137.8,348.657 152.954,348.769 217.327,348.756 102.595,348.876 145.525,348.874 150.689,348.947 162.056,348.969 165.065,348.969 178.82,348.969 181.829,348.969 184.829,348.969 187.831,348.969 154.46,349 198.9,349 106.01,349.113 156.1,349.136 166.716,349.136 169.718,349.136 172.721,349.136 194.2,349.2 100.713,349.373 152.253,349.476 96.592,349.536 157.464,349.519 98.734,349.543 143.656,349.589 218.577,349.584 110.6,349.6 192.6,349.6 196.5,349.6 264.5,349.6 147.05,349.717 163.563,349.719 180.327,349.719 183.33,349.719 186.332,349.719 189.2,349.7 251.41,349.698 267.8,349.7 107.86,349.731 254.489,349.779 168.219,349.886 171.219,349.886 174.228,349.886 220.043,349.901 221.543,349.901 223.043,349.901 224.543,349.901 226.043,349.901 227.543,349.901 229.043,349.901 230.543,349.901 232.043,349.901 233.543,349.901 235.043,349.901 236.543,349.901 238.043,349.901 239.543,349.901 241.043,349.901 242.543,349.901 244.043,349.901 245.543,349.901 109.539,349.943 104.41,349.976 141.765,349.979 140.146,350.099 117.543,350.166 119.043,350.166 120.543,350.166 122.043,350.166 123.543,350.166 125.043,350.166 126.543,350.166 128.043,350.166 129.543,350.166 131.043,350.166 132.543,350.166 134.043,350.166 135.543,350.166 137.043,350.166 138.572,350.152 198.1,350.2 152.954,350.269 194.9,350.3 266.2,350.4 246.947,350.43 248.98,350.414 148.782,350.455 253.149,350.452 162.056,350.469 165.065,350.469 178.82,350.469 181.829,350.469 184.829,350.469 187.831,350.469 156.2,350.5 273.646,350.492 145.037,350.658 166.716,350.636 169.718,350.636 172.721,350.636 102.633,350.737 154.9,350.742 106.379,350.811 150.607,350.919 263.8,351 157.464,351.019 107.806,351.108 268.3,351.2 100.751,351.236 183.329,351.225 186.331,351.23 142.93,351.264 110.6,351.3 168.219,351.386 174.228,351.386 109.233,351.404 141.038,351.536 98.701,351.6 192.6,351.6 139.392,351.625 112.054,351.652 114.548,351.662 116.793,351.667 118.293,351.667 119.793,351.667 121.293,351.667 122.793,351.667 124.293,351.667 125.793,351.667 127.293,351.667 128.793,351.667 130.293,351.667 131.793,351.667 133.293,351.667 134.793,351.667 136.293,351.667 137.815,351.659 146.659,351.651 200.2,351.7 152.954,351.769 194.3,351.8 198.7,351.8 104.69,351.807 189.181,351.863 266.1,351.9 162.056,351.969 178.82,351.969 184.828,351.986 187.83,351.995 166.716,352.136 169.718,352.136 97.138,352.211 148.392,352.392 273.646,352.492 144.308,352.518 157.464,352.519 102.912,352.57 106.958,352.593 183.325,352.732 186.327,352.74 108.927,352.865 168.219,352.886 174.228,352.886 141.991,352.97 110.6,353 150.334,353.024 140.249,353.097 112,353.142 114.508,353.166 116.043,353.166 117.543,353.166 119.043,353.166 120.543,353.166 122.043,353.166 123.543,353.166 125.043,353.166 126.543,353.166 128.043,353.166 129.543,353.166 131.043,353.166 132.543,353.166 134.043,353.166 135.543,353.166 137.043,353.166 138.6,353.152 194.8,353.2 100.958,353.228 152.959,353.275 198.1,353.3 162.056,353.469 178.811,353.469 184.821,353.486 187.822,353.495 145.93,353.513 98.907,353.594 105.268,353.591 166.721,353.647 169.723,353.643 151.774,353.835 192.6,353.9 106.944,353.96 189.2,354 196.5,354 157.473,354.019 199.4,354.2 143.369,354.226 183.321,354.233 186.323,354.243 97.3,354.3 108.62,354.328 174.237,354.386 168.227,354.403 194.2,354.4 147.791,354.431 273.646,354.492 103.37,354.502 110.6,354.5 141.202,354.533 139.458,354.626 113.047,354.671 115.271,354.669 116.793,354.669 118.293,354.669 119.793,354.669 121.293,354.669 122.793,354.669 124.293,354.669 125.793,354.669 127.293,354.669 128.793,354.669 130.293,354.669 131.793,354.669 133.293,354.669 134.793,354.669 136.293,354.669 137.829,354.661 150.468,354.697 152.97,354.887 162.047,354.969 178.811,354.969 146.402,354.997 184.821,354.99 187.822,355.001 101.415,355.163 166.729,355.218 169.737,355.29 105.7,355.442 149.092,355.453 192.7,355.5 157.473,355.519 151.885,355.592 194.3,355.6 144.7,355.642 195.935,355.642 197.271,355.654 198.535,355.642 199.871,355.654 201.135,355.642 202.471,355.654 203.735,355.642 205.171,355.654 206.435,355.642 207.771,355.654 209.035,355.642 210.635,355.642 211.971,355.654 213.235,355.642 214.571,355.654 215.835,355.642 217.171,355.654 218.435,355.642 219.871,355.654 221.135,355.642 222.471,355.654 223.735,355.642 225.335,355.642 226.671,355.654 227.935,355.642 229.271,355.654 230.535,355.642 231.871,355.654 233.135,355.642 234.571,355.654 235.835,355.642 237.171,355.654 238.435,355.642 239.935,355.642 241.271,355.654 242.535,355.642 243.871,355.654 245.135,355.642 246.471,355.654 247.735,355.642 249.171,355.654 250.435,355.642 251.771,355.654 253.035,355.642 254.435,355.642 255.771,355.654 257.035,355.642 258.371,355.654 259.635,355.642 260.971,355.654 262.235,355.642 263.671,355.654 264.935,355.642 266.271,355.654 267.552,355.654 270.352,355.654 268.888,355.666 271.688,355.666 99.284,355.718 186.32,355.745 107.784,355.819 174.237,355.886 103.5,355.9 183.3,355.9 142.217,355.963 110.6,356 168.234,355.999 140.352,356.097 147.664,356.105 113.06,356.159 116.043,356.168 117.543,356.168 119.043,356.168 120.543,356.168 122.043,356.168 123.543,356.168 125.043,356.168 126.543,356.168 128.043,356.168 129.543,356.168 131.043,356.168 132.543,356.168 134.043,356.168 135.543,356.168 137.043,356.168 138.629,356.153
  other v2: 185.6,204 197.933,204.043 115.3,204.2 245.933,254.343 184.8,259.5 116.3,260.6 215.1,266.7 185.9,285.8 116,286 214.8,296.1 196.5,351.8
IF1: CM13.2 PM1.2 RM1.1 | length 5.7
  Top Layer w0.6: PM1.2@135.503,312.588 135.691,312.776 135.691,315.509 RM1.1@135.691,318.176
IF2: CM23.2 PM2.2 RM2.1 | length 5.9
  Top Layer w0.6: PM2.2@150.362,312.334 150.423,312.395 RM2.1@150.423,318.176
IF3: CM33.2 PM3.2 RM3.1 | length 5.7
  Top Layer w0.6: PM3.2@169.158,312.715 169.219,312.776 RM3.1@169.219,318.43
IF4: CM43.2 PM4.2 RM4.1 | length 5.8
  Top Layer w0.6: PM4.2@184.652,312.715 184.84,312.903 RM4.1@184.84,318.43
ix: CA3.1 CB4.1 PC2.1 | length 115
  Top Layer w0.381: CB4.1@249.301,338.449 249.301,342.722 ccw(c247.133,342.722) 248.666,344.255 248.648,344.273 cw(c250.444,346.069) 247.904,346.069 PC2.1@247.904,348.446 220.127,348.446 ccw(c220.127,345.906) 218.331,347.702 217.406,346.777 ccw(c219.202,344.981) 216.662,344.981 216.662,322.701 ccw(c223.494,322.701) 218.663,317.87 227.107,309.426 ccw(c231.018,313.338) 231.018,307.806 246.059,307.806 cw(c246.059,303.965) 248.775,306.681 250.97,304.486 cw(c249.174,302.69) 251.714,302.69 CA3.1@251.714,298.19
  other v4: 251.714,300.567 249.301,341.334
LD1: D1.2 R14.1 | length 2.2
  Top Layer w0.5: D1.2@139.21,246.56 141.22,246.56 R14.1@141.32,246.46
LD2: D2.2 R24.1 | length 2.4
  Top Layer w0.5: R24.1@178.67,216.78 180.98,216.78 D2.2@181.03,216.73
LE1: R48.1 R49.1 R410.2 U1.3 | length 12.3
  Top Layer w0.254: U1.3@162.158,243.073 165.773,243.073 167.22,244.52 170.45,244.52 R410.2@170.6,244.37 ; R48.1@172.48,244.37 R48.1@172.5,244.39
  Top Layer w0.5: R410.2@170.56,244.37 R48.1@172.48,244.37 ; R48.1@172.5,244.39 R49.1@172.5,245.66
LE1A: P1.2 P2.2 R49.2 | length 5.9
  Top Layer w0.5: R49.2@174.4,245.66 174.4,245.593 174.85,245.143 175.958,245.143 176.229,244.872 P2.2@179.7,244.872 ; P2.2@179.833,245.005 P2.2@180.016,244.821
LE2: R411.2 R412.1 R413.1 U2.3 | length 16.1
  Top Layer w0.254: R413.1@146.06,217.34 R413.1@146.08,217.32 ; R412.1@146.35,215.35 146.35,215.502 R412.1@146.653,215.805 ; R411.2@147.76,217.34 148.4,216.7 150.83,216.7 154.327,220.197 U2.3@157.943,220.197
  Top Layer w0.5: R413.1@146.06,217.34 R411.2@147.76,217.34 ; R412.1@146.08,215.46 R413.1@146.08,217.32
LE2A: P4.4 R412.2 | length 2.6
  Top Layer w0.5: P4.4@141.91,216.11 142.08,215.94 143.73,215.94 144.18,215.49 R412.2@144.18,215.46
NetC01_1: C01.1 Q01.3 Q02.3 R01.1 R02.2 | length 9.5
  Top Layer w0.5: R01.1@130.799,234.835 132.327,234.835 132.606,235.114 132.831,235.114 134.994,235.114 135.879,234.229 Q01.3@135.879,233.714 Q02.3@139.308,233.714
NetC02_1: C02.1 C03.2 Q01.2 Q02.1 R04.2 | length 7.3
  Top Layer w0.254: R04.2@134.587,229.551 R04.2@134.609,229.573
  Top Layer w0.5: C02.1@132.831,229.551 R04.2@134.587,229.551 ; R04.2@134.634,229.548 136.768,229.548 136.781,229.561 Q01.2@136.781,231.444 ; Q01.2@136.794,231.76 138.264,231.76 Q02.1@138.274,231.77
NetC02_2: C02.2 Q01.1 R02.1 R03.2 Y01.2 | length 14.7
  Top Layer w0.254: C02.2@132.831,231.351 C02.2@133.24,231.76
  Top Layer w0.5: Y01.2@128.86,221.96 128.86,226.07 R03.2@130.53,227.74 130.53,230.886 131.434,231.79 C02.2@132.614,231.79 ; C02.2@132.577,231.097 C02.2@132.831,231.351 ; C02.2@133.24,231.76 Q01.1@134.964,231.76
NetC04_1: C04.1 Q02.2 R05.2 | length 3.6
  Top Layer w0.5: R05.2@140.07,229.548 140.199,229.677 140.199,231.736 Q02.2@140.223,231.76 C04.1@141.519,231.76 ; C04.1@141.559,232.18 C04.1@141.564,232.18
NetC13_2: C13.2 C14.2 R12.1 U1.7 | length 77.2
  Top Layer w0.254: C14.2@148.73,243.77 cw(c148.73,243.915) C14.2@148.717,243.771 ; U1.7@162.158,245.073 163.165,245.073 163.168,245.07 v1(164.25,245.07) ; C14.2@148.717,243.771 cw(c148.73,243.915) 148.628,243.812 C14.2@148.717,243.771
  Top Layer w0.5: v3(147.35,245.138) C14.2@148.717,243.771
  Bottom Layer w0.254: v3(147.35,245.138) 150.293,242.195 153.485,242.195 157.13,238.55 167.31,238.55 171.27,234.59 180.72,234.59 181.79,235.66 181.79,248.44 180.97,249.26 176.05,249.26 174.48,250.83 170.01,250.83 v1(164.25,245.07)
NetC14_1: C14.1 R11B.2
NetC15_1: C15.1 R12.2 U1.20 | length 6.8
  Top Layer w0.254: R12.2@152.19,243.55 155.95,243.55 156.473,244.073 U1.20@157.358,244.073
  Top Layer w0.5: R12.2@152.19,243.55 152.19,244.95 C15.1@152.21,244.97
NetC23_2: C23.2 C24.2 R22.1 U2.7 | length 70.9
  Top Layer w0.254: v1(155.45,218.17) 155.475,218.195 157.941,218.195 U2.7@157.943,218.197 ; v3@172.8,218.11 v3(173,218.11)
  Top Layer w0.5: C24.2@171.645,219.265 v3@172.8,218.11
  Bottom Layer w0.254: v1(155.45,218.17) 148.74,211.46 141.09,211.46 139.87,212.68 139.87,224.22 140.46,224.81 163.38,224.81 164.34,223.85 164.34,223.799 164.678,223.461 167.444,220.695 170.415,220.695 v3(173,218.11)
NetC24_1: C24.1 R21B.2
NetC25_1: C25.1 R22.2 U2.20 | length 6.8
  Top Layer w0.254: U2.20@162.743,219.197 163.627,219.197 164.15,219.72 R22.2@167.91,219.72
  Top Layer w0.5: C25.1@167.91,218.32 R22.2@167.91,219.72
NetC121_2: C121.2 U1.29 | length 1.6
  Top Layer w0.254: U1.29@160.008,241.15 160.008,240.932 160.012,240.928 C121.2@160.012,239.568
NetC221_2: C221.2 U2.29 | length 1.5
  Top Layer w0.254: U2.29@160.093,221.847 160.093,223.333 C221.2@160.1,223.34
NetC226_2: C226.2 R29.1
NetCA1_2: CA1.2 RA4.2 UA.3 | length 9.6
  Top Layer w0.381: UA.3@244.394,281.894 246.194,281.894 248.789,284.489 249.747,284.489 250.256,284.998 RA4.2@250.256,285.073 250.256,287.257 CA1.2@250.154,287.359
NetCA2_2: CA2.2 UA.10 | length 15.5
  Top Layer w0.381: CA2.2@236.347,297.519 236.347,296.122 241.427,291.042 241.427,287.486 242.469,286.444 UA.10@244.394,286.444
NetCA3_2: CA3.2 UA.12 | length 13.6
  Top Layer w0.381: UA.12@244.394,287.744 245.436,287.744 ccw(c245.436,294.018) 249.718,289.432 ; 249.555,289.264 ccw(c244.343,294.476) 249.718,289.432 ; 249.872,289.582 cw(c245.436,294.018) 249.718,289.432 ; CA3.2@251.714,296.34 251.714,294.476 cw(c244.343,294.476) 249.718,289.432
NetCA4_2: CA4.2 UA.13 | length 11.4
  Top Layer w0.381: UA.13@244.394,288.394 245.519,288.394 ccw(c245.519,292.665) 248.539,289.645 248.557,289.663 ccw(c246.761,291.459) 249.301,291.459 CA4.2@249.301,296.34
NetCA5_2: CA5.2 UA.14 | length 7.9
  Top Layer w0.381: CA5.2@242.443,296.122 242.443,293.582 244.394,291.631 UA.14@244.394,289.044
NetCA8_2: CA8.2 UA.17 | length 5.1
  Top Layer w0.381: CA8.2@234.696,290.879 234.696,289.01 235.962,287.744 UA.17@237.444,287.744
NetCA9_2: CA9.2 UA.19 | length 6.6
  Top Layer w0.381: CA9.2@232.283,289.863 235.702,286.444 UA.19@237.444,286.444
NetCA10_2: CA10.2 RA6.2 UA.20 YA.1 | length 11.9
  Top Layer w0.381: YA.1@226.187,287.767 229.715,287.767 ccw(c229.715,287.986) CA10.2@229.87,287.831 cw(c229.87,285.451) 231.553,287.134 RA6.2@232.283,286.404 ccw(c233.756,287.877) 233.756,285.794 UA.20@237.444,285.794
NetCA11_2: CA11.2 RA6.1 UA.21 YA.2 | length 12
  Top Layer w0.381: YA.2@226.187,282.887 cw(c226.339,282.735) 226.339,282.95 CA11.2@229.87,282.95 ccw(c229.87,285.024) 231.336,283.557 RA6.1@232.283,284.504 cw(c233.828,282.959) 233.828,285.144 UA.21@237.444,285.144
NetCA12_2: CA12.2 UA.23 | length 6.4
  Top Layer w0.381: CA12.2@232.156,281.045 234.955,283.844 UA.23@237.444,283.844
NetCA13_1: CA13.1 CA14.2 RA3.1 UA.8 UA.9 UA.27 | length 31.5
  Top Layer w0.381: UA.27@237.444,281.244 241.19,281.244 241.209,281.263 ; UA.9@244.394,285.794 UA.8@244.394,285.144 242.26,285.144 241.209,284.093 241.209,281.263 ; RA3.1@254,278.789 CA13.1@254,275.965 253.782,276.183 241.494,276.183 241.209,276.468 CA14.2@241.209,276.564 241.209,281.263
NetCB1_2: CB1.2 RB4.2 UB.3 | length 9.6
  Top Layer w0.381: UB.3@244.394,322.153 246.153,322.153 248.748,324.748 249.747,324.748 250.256,325.257 RB4.2@250.256,325.332 250.256,327.516 CB1.2@250.154,327.618
NetCB2_2: CB2.2 UB.10 | length 15.5
  Top Layer w0.381: CB2.2@236.347,337.778 236.347,336.381 241.427,331.301 241.427,327.745 242.469,326.703 UB.10@244.394,326.703
NetCB3_2: CB3.2 UB.12 | length 13.6
  Top Layer w0.381: UB.12@244.394,328.003 245.436,328.003 ccw(c245.436,334.277) 249.718,329.691 ; 249.555,329.523 ccw(c244.343,334.735) 249.718,329.691 ; 249.872,329.841 cw(c245.436,334.277) 249.718,329.691 ; CB3.2@251.714,336.599 251.714,334.735 cw(c244.343,334.735) 249.718,329.691
NetCB4_2: CB4.2 UB.13 | length 11.4
  Top Layer w0.381: UB.13@244.394,328.653 245.519,328.653 ccw(c245.519,332.924) 248.539,329.904 248.557,329.922 ccw(c246.761,331.718) 249.301,331.718 CB4.2@249.301,336.599
NetCB5_2: CB5.2 UB.14 | length 7.9
  Top Layer w0.381: CB5.2@242.443,336.381 242.443,333.841 244.394,331.89 UB.14@244.394,329.303
NetCB8_2: CB8.2 UB.17 | length 5.1
  Top Layer w0.381: CB8.2@234.696,331.138 234.696,329.269 235.962,328.003 UB.17@237.444,328.003
NetCB9_2: CB9.2 UB.19 | length 6.6
  Top Layer w0.381: CB9.2@232.283,330.122 235.702,326.703 UB.19@237.444,326.703
NetCB10_2: CB10.2 RB6.2 UB.20 YB.1 | length 11.9
  Top Layer w0.381: YB.1@226.187,328.026 229.715,328.026 ccw(c229.715,328.245) CB10.2@229.87,328.09 cw(c229.87,325.71) 231.553,327.393 RB6.2@232.283,326.663 ccw(c233.756,328.136) 233.756,326.053 UB.20@237.444,326.053
NetCB11_2: CB11.2 RB6.1 UB.21 YB.2 | length 12
  Top Layer w0.381: YB.2@226.187,323.146 cw(c226.339,322.994) 226.339,323.209 CB11.2@229.87,323.209 ccw(c229.87,325.283) 231.336,323.816 RB6.1@232.283,324.763 cw(c233.828,323.218) 233.828,325.403 UB.21@237.444,325.403
NetCB12_2: CB12.2 UB.23 | length 6.4
  Top Layer w0.381: CB12.2@232.156,321.304 234.955,324.103 UB.23@237.444,324.103
NetCB13_1: CB13.1 CB14.2 RB3.1 UB.8 UB.9 UB.27 | length 31.5
  Top Layer w0.381: UB.27@237.444,321.503 241.19,321.503 241.209,321.522 ; UB.9@244.394,326.053 UB.8@244.394,325.403 242.26,325.403 241.209,324.352 241.209,321.522 ; RB3.1@254,319.048 CB13.1@254,316.224 253.782,316.442 241.494,316.442 241.209,316.727 CB14.2@241.209,316.823 241.209,321.522